# Altium PCB PCB-Tester-Board.PcbDoc (part 7 of 7)
Units mm, origin at the board's own origin, x right, y up, seen from the top; angles counter-clockwise.
Board outline 400 x 300 mm, 8 copper layers (Top Layer, Inner1, Inner2, Inner3, Inner4, Inner5, Inner6, Bottom Layer), stack 1.515 mm thick; 757 components, 658 nets, 2830 pads, 1016 vias.
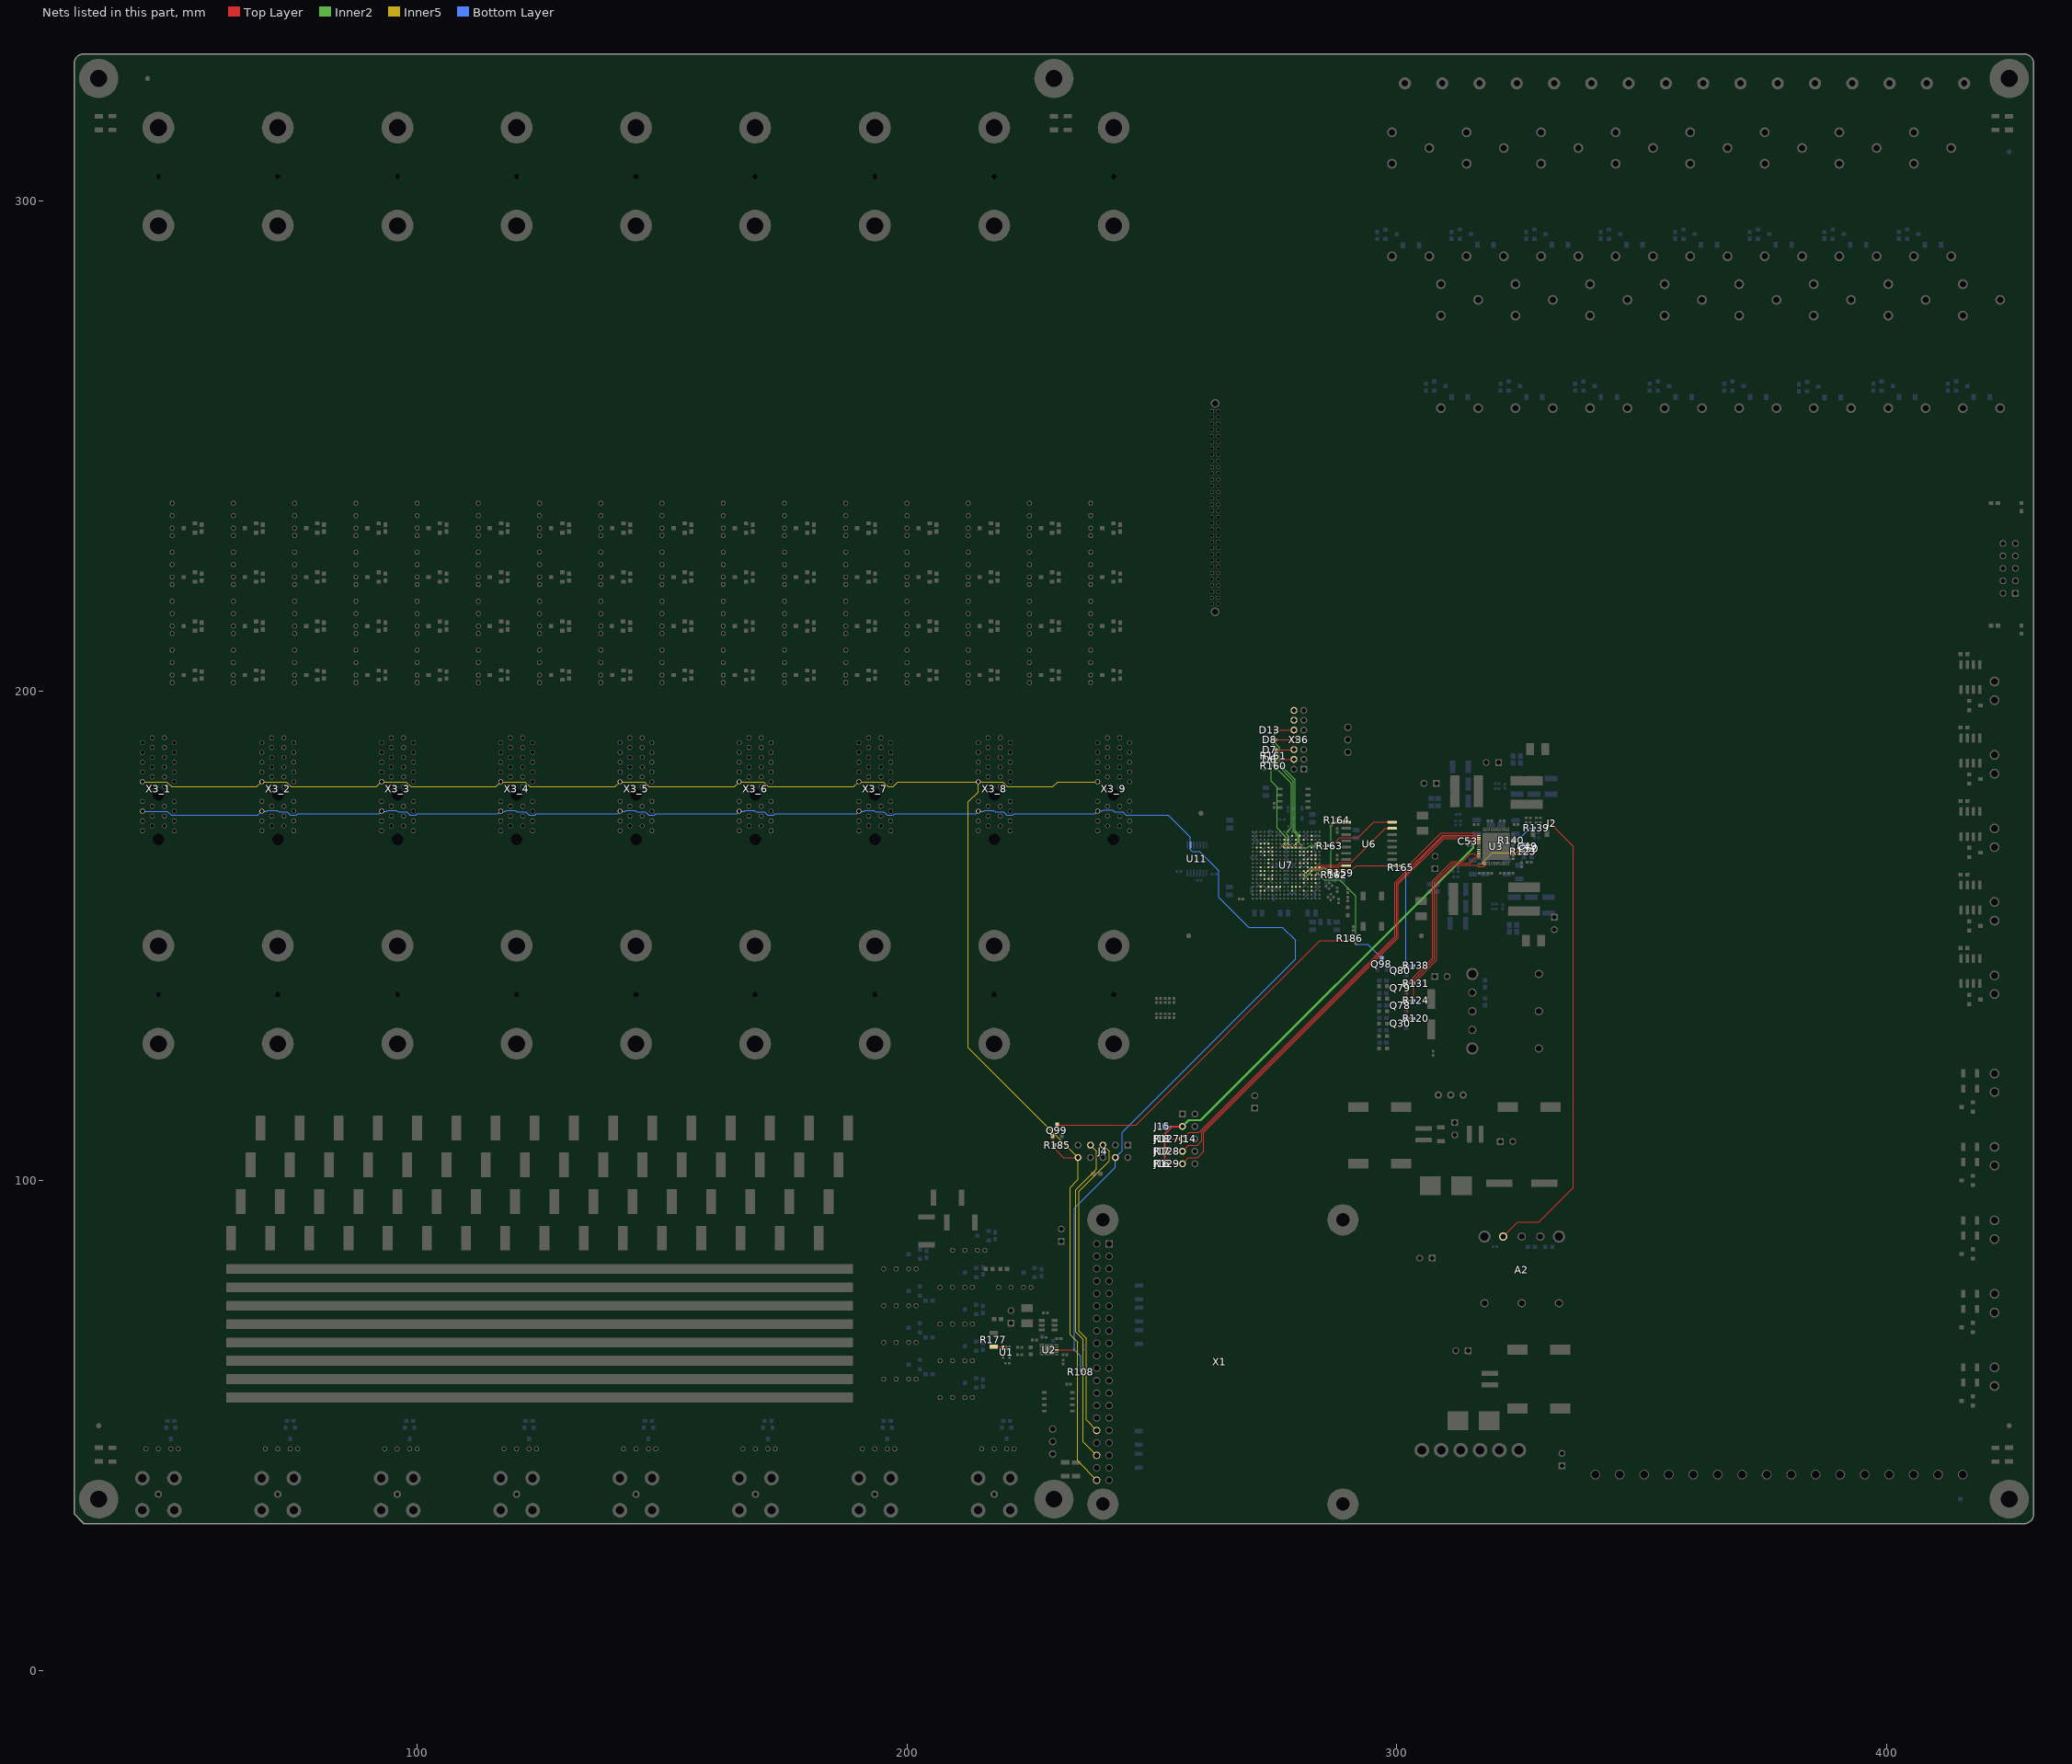
[diagram p13: the nets of this part, all layers, seen from the top]

## Via types
v1: diameter 0.4, hole 0.2, Top Layer to Bottom Layer, 601 vias
v2: diameter 0.8, hole 0.3, Top Layer to Bottom Layer, 361 vias
v3: diameter 0.7, hole 0.3, Top Layer to Bottom Layer, 54 vias

## Nets (pads, with @x,y where several pads share a name; then routed paths per layer and width w, separated by ;. In a path a pad name is that pad's centre, name@x,y a point inside that pad or via, vN(x,y) a via of type N, cw(c..) or ccw(c..) an arc to the next point about the centre after c; other vN are vias at no path point) (continued)
NetR139_1: R139.1 R140.1 U3.53 | length 6.1
  Top Layer w0.152: U3.53@323.75,169.65 323.753,169.647 v1(324.434,169.647)
  Bottom Layer w0.152: R140.1@323.717,169.494 323.872,169.65 323.876,169.647 v1(324.434,169.647) 324.452,169.647 324.805,170 325.244,170 327.244,172 R139.1@328.1,172
NetR159_1: R159.1 R162.2 U7.L15 | length 6.7
  Top Layer w0.127: U7.L15@281.8,163.2 282.2,163.6 284.6,163.6
  Top Layer w0.152: 284.6,163.6 285.4,162.8 ; R159.1@288.002,162.8 R159.1@288.026,162.776
  Top Layer w0.203: 285.4,162.8 286.4,162.8 R162.2@287.172,162.8 R159.1@288.002,162.8
NetR163_1: R163.1 U7.E9 | length 10.2
  Top Layer w0.152: v1(276.6,168.4) U7.E9@277,168 ; v1(285.255,168.39) 285.898,168.39 R163.1@285.9,168.388
  Inner2 w0.127: 277,168 281.8,168
  Inner2 w0.152: v1(276.6,168.4) 277,168 ; 281.8,168 282.19,168.39 v1(285.255,168.39)
NetR163_2: R163.2 U6.16 | length 14.3
  Top Layer w0.152: R163.2@286.7,168.388 288.312,170 292.1,170 295.303,173.203 U6.16@299.02,173.203
NetR164_1: R164.1 U6.1 U7.M14 | length 19
  Top Layer w0.152: U7.M14@281,162.4 v1(281.4,162) ; v1(286.6,172.475) 287.325,173.2 R164.1@287.8,173.2 287.803,173.203 U6.1@289.65,173.203
  Inner2 w0.152: v1(281.4,162) 282.867,163.467 284.991,163.467 285.465,162.993 285.939,162.993 286.6,163.654 v1(286.6,172.475)
NetR165_1: R165.1 U6.9 U7.L14 | length 20.9
  Top Layer w0.152: U7.L14@281,163.2 v1(281.4,162.8) ; v1(285.7,163.5) 290.862,163.5 291.674,164.313 U6.9@299.02,164.313 299.033,164.3 R165.1@300.8,164.3
  Inner2 w0.152: v1(281.4,162.8) 282.42,163.82 285.38,163.82 v1(285.7,163.5)
NetR177_1: R177.1 U1.3 | length 2.1
  Top Layer w0.152: R177.1@217.677,66.159 219.441,66.159 219.6,66 U1.3@219.6,65.9
NetU3_23: U3.23
NetU3_24: U3.24
NetU3_25: U3.25
NetU3_43: U3.43
NetU3_45: U3.45 U3.46 | length 1.4
  Top Layer w0.152: U3.45@323.75,166.45 323.758,166.458 324.199,166.458 324.288,166.548 324.288,166.753 324.199,166.842 323.758,166.842 U3.46@323.754,166.846
NetU6_8: U6.8 U7.K18 | length 5.6
  Top Layer w0.152: U7.K18@284.2,164 288.129,164 288.442,164.313 U6.8@289.65,164.313
NetU6_15: U6.15 U7.K17 | length 18.9
  Top Layer w0.127: 283.8,164.4 284.6,164.4
  Top Layer w0.152: U7.K17@283.4,164 283.8,164.4 ; 284.6,164.4 287.975,164.4 288.52,164.945 290.66,164.945 297.648,171.933 U6.15@299.02,171.933
NetU7_B11: U7.B11
NetU7_B13: U7.B13
NetU7_B16: U7.B16
NetU7_C9: U7.C9
NetU7_C10: U7.C10
NetU7_C12: U7.C12
NetU7_C14: U7.C14
NetU7_C16: U7.C16
NetU7_D3: U7.D3
NetU7_D4: U7.D4
NetU7_D5: U7.D5
NetU7_D9: U7.D9
NetU7_D10: U7.D10
NetU7_D12: U7.D12
NetU7_D17: U7.D17
NetU7_E2: U7.E2
NetU7_E3: U7.E3
NetU7_E5: U7.E5
NetU7_E6: U7.E6
NetU7_E16: U7.E16
NetU7_F3: U7.F3
NetU7_F4: U7.F4
NetU7_F5: U7.F5
NetU7_F6: U7.F6
NetU7_F13: U7.F13
NetU7_F14: U7.F14
NetU7_F15: U7.F15
NetU7_F16: U7.F16
NetU7_G4: U7.G4
NetU7_G6: U7.G6
NetU7_G13: U7.G13
NetU7_G14: U7.G14
NetU7_G16: U7.G16
NetU7_G17: U7.G17
NetU7_H5: U7.H5
NetU7_H6: U7.H6
NetU7_H14: U7.H14
NetU7_H15: U7.H15
NetU7_H16: U7.H16
NetU7_H17: U7.H17
NetU7_J5: U7.J5
NetU7_J13: U7.J13
NetU7_J14: U7.J14
NetU7_J15: U7.J15
NetU7_J17: U7.J17
NetU7_K3: U7.K3
NetU7_K5: U7.K5
NetU7_K6: U7.K6
NetU7_K13: U7.K13
NetU7_K15: U7.K15
NetU7_K16: U7.K16
NetU7_L3: U7.L3
NetU7_L4: U7.L4
NetU7_L6: U7.L6
NetU7_L16: U7.L16
NetU7_M3: U7.M3
NetU7_M4: U7.M4
NetU7_M6: U7.M6
NetU7_M13: U7.M13
NetU7_M16: U7.M16
NetU7_N4: U7.N4
NetU7_N5: U7.N5
NetU7_N6: U7.N6
NetU7_N14: U7.N14
NetU7_N15: U7.N15
NetU7_N16: U7.N16
NetU7_N17: U7.N17
NetU7_P14: U7.P14
NetU7_P17: U7.P17
NetU7_R3: U7.R3
NetU7_R5: U7.R5
NetU7_R6: U7.R6
NetU7_R7: U7.R7
NetU7_R8: U7.R8
NetU7_R11: U7.R11
NetU7_R12: U7.R12
NetU7_R13: U7.R13
NetU7_R16: U7.R16
NetU7_T3: U7.T3
NetU7_T4: U7.T4
NetU7_T6: U7.T6
NetU7_T11: U7.T11
NetU7_T14: U7.T14
NetU7_T16: U7.T16
NetX36_12: X36.12
NetX36_14: X36.14
nRST: Q98.3 Q99.3 R186.2 U7.M17 | length 103.7
  Top Layer w0.152: Q99.3@230.65,111.4 246.718,111.4 284.325,149.007 290.307,149.007 R186.2@290.4,149.1 290.494,149.006 290.94,149.006 v1(291.666,148.28) ; U7.M17@283.4,162.4 v1(283.8,162.8)
  Inner2 w0.152: v1(283.8,162.8) 285.169,161.431 288.366,161.431 291.666,158.131 v1(291.666,148.28)
  Bottom Layer w0.152: v1(291.666,148.28) 294.087,148.28 296.917,145.45 Q98.3@296.917,145.4
P12V0D_S: A2.7 J2.2 | length 94.3
  Top Layer w0.152: A2.7@321.7,88.6 324.662,91.562 328.987,91.562 335.987,98.563 335.987,168.248 331.696,172.538 J2.2@331.622,172.612
PG_A_29: Q30.1 R120.1 U3.26 | length 44
  Top Layer w0.152: v1(302.8,133.1) 302.159,133.741 302.159,140.319 307.265,145.425 307.265,161.17 311.28,165.185 313.433,165.185 315.024,166.776 315.758,166.776 316.084,166.45 U3.26@316.75,166.45
  Bottom Layer w0.203: Q30.1@301.9,133.03 301.97,133.1 v1(302.8,133.1) R120.1@303.5,133.1
PG_B_29: Q78.1 R124.1 U3.30 | length 39.8
  Top Layer w0.152: v1(302.8,136.783) 303.441,137.424 303.441,140.321 308.17,145.05 308.17,160.795 311.82,164.446 316.289,164.446 316.6,164.135 317.881,164.135 318.044,164.298 318.044,164.744 U3.30@318.05,164.75
  Bottom Layer w0.203: Q78.1@301.97,136.783 v1(302.8,136.783) R124.1@303.5,136.783
PG_C_29: Q79.1 R131.1 U3.27 | length 35.4
  Top Layer w0.152: v1(302.8,140.32) 307.717,145.237 307.717,160.983 311.555,164.82 314.857,164.82 316.086,166.05 U3.27@316.75,166.05
  Bottom Layer w0.203: Q79.1@301.97,140.32 v1(302.8,140.32) R131.1@303.5,140.32
PG_D_29: Q80.1 R138.1 U3.16 | length 39.5
  Top Layer w0.152: v1(301.9,163.845) 309,170.945 315.746,170.945 316.241,170.45 U3.16@316.75,170.45
  Bottom Layer w0.152: Q80.1@301.9,143.85 v1(301.9,163.845)
  Bottom Layer w0.203: Q80.1@301.97,143.92 302.8,143.92 R138.1@303.5,143.92
RST_F_1: J4.10 Q99.1 R185.2 X1.40 X3_1.B10 X3_2.B10 X3_3.B10 X3_4.B10 X3_5.B10 X3_6.B10 X3_7.B10 X3_8.B10 X3_9.B10 | length 365.4
  Top Layer w0.152: Q99.1@229.7,109.1 Q99.1@229.816,108.984 ; R185.2@229.816,107.504 R185.2@229.933,107.387
  Top Layer w0.203: R185.2@229.816,107.504 Q99.1@229.816,108.984 ; R185.2@229.933,107.387 R185.2@229.986,107.334 ; R185.2@230.05,107.27 230.194,107.126 230.194,106.476 231.94,104.73 J4.10@234.92,104.73
  Inner5 w0.203: X3_1.B10@43.937,181.428 48.872,181.428 49.872,180.428 67.312,180.428 X3_2.B10@68.312,181.428 73.247,181.428 74.247,180.428 91.688,180.428 X3_3.B10@92.688,181.428 ; X3_3.B10@92.75,181.428 97.685,181.428 98.685,180.428 116.125,180.428 X3_4.B10@117.125,181.428 ; X3_4.B10@117.062,181.428 121.997,181.428 122.997,180.428 140.437,180.428 X3_5.B10@141.437,181.428 146.372,181.428 147.372,180.428 164.812,180.428 X3_6.B10@165.813,181.428 ; X3_6.B10@165.75,181.428 170.685,181.428 171.685,180.428 189.125,180.428 X3_7.B10@190.125,181.428 ; X3_7.B10@190.188,181.428 195.122,181.428 196.122,180.428 197.163,180.428 198.163,181.428 X3_8.B10@214.562,181.428 ; X1.40@238.724,38.87 234.79,42.803 234.79,67.09 233.29,68.59 233.29,98.618 234.92,100.248 J4.10@234.92,104.73 212.537,127.113 212.537,177.337 214.563,179.363 X3_8.B10@214.562,181.428 ; X3_9.B10@238.938,181.428 230.771,181.428 229.771,180.428 220.497,180.428 219.497,181.428 X3_8.B10@214.562,181.428
SCLK_1: J4.4 R108.1 U2.8 U11.2 X3_1.B14 X3_2.B14 X3_3.B14 X3_4.B14 X3_5.B14 X3_6.B14 X3_7.B14 X3_8.B14 X3_9.B14 | length 368.2
  Top Layer w0.152: U2.8@230.5,65.5 v1(234.13,65.5)
  Bottom Layer w0.152: X3_1.B14@43.937,175.428 48.981,175.428 49.797,174.612 67.497,174.612 X3_2.B14@68.312,175.428 69.298,175.428 69.483,175.613 71.398,175.613 71.76,175.251 73.465,175.251 74.107,174.61 75.333,174.61 75.636,174.912 92.235,174.912 X3_3.B14@92.75,175.428 93.735,175.428 93.921,175.613 95.836,175.613 96.198,175.251 97.903,175.251 98.544,174.61 99.771,174.61 100.073,174.912 116.547,174.912 X3_4.B14@117.062,175.428 118.048,175.428 118.233,175.613 120.148,175.613 120.51,175.251 122.215,175.251 122.857,174.61 124.083,174.61 124.386,174.912 140.922,174.912 X3_5.B14@141.437,175.428 142.423,175.428 142.608,175.613 144.523,175.613 144.885,175.251 146.59,175.251 147.232,174.61 148.458,174.61 148.761,174.912 165.235,174.912 X3_6.B14@165.75,175.428 X3_6.B14@165.812,175.428 ; X3_6.B14@165.875,175.428 166.735,175.428 166.921,175.613 168.836,175.613 169.198,175.251 170.903,175.251 171.544,174.61 172.771,174.61 173.073,174.912 189.672,174.912 X3_7.B14@190.188,175.428 191.173,175.428 191.358,175.613 193.273,175.613 193.635,175.251 195.34,175.251 195.982,174.61 197.208,174.61 197.511,174.912 214.047,174.912 X3_8.B14@214.562,175.428 215.548,175.428 215.733,175.613 217.648,175.613 218.01,175.251 219.715,175.251 220.357,174.61 221.583,174.61 221.886,174.912 238.423,174.912 X3_9.B14@238.938,175.428 ; R108.1@235.5,61.38 235.5,64.13 v1(234.13,65.5) 234.13,94.339 242.54,102.749 J4.4@242.54,104.73 243.9,106.09 243.9,109.828 279.289,145.217 279.289,149.133 276.652,151.77 269.73,151.77 263.695,157.805 263.695,163.238 259.728,167.205 258.247,167.205 257.85,167.602 257.85,168.5 257.85,170.098 253.338,174.61 244.701,174.61 244.044,175.267 242.339,175.267 241.977,175.629 240.062,175.629 239.876,175.444 X3_9.B14@238.891,175.444
SIG1_2: J4.5 X1.32 | length 62.8
  Inner5 w0.203: X1.32@238.724,49.03 236.6,51.154 236.6,67.839 235.1,69.339 235.1,97.869 241.3,104.069 241.3,105.97 J4.5@240,107.27
SIG2_2: J4.7 X1.36 | length 67.3
  Inner5 w0.203: J4.7@237.46,107.27 238.7,106.03 238.7,102.322 234.497,98.119 234.497,69.09 235.997,67.59 235.997,46.677 X1.36@238.724,43.95
SMBUS.ALERT#: J14.5 J18.1 R127.1 U3.17 | length 99.1
  Top Layer w0.152: R127.1@253.399,108.54 J14.5@256.23,108.54 257.515,109.825 259.6,109.825 299.627,149.852 299.627,160.812 309.341,170.526 315.722,170.526 316.197,170.05 U3.17@316.75,170.05
  Bottom Layer w0.152: J18.1@252.775,108.54 J14.5@256.23,108.54
SMBUS.CLK: J14.7 J17.1 R128.1 U3.18 | length 101.1
  Top Layer w0.152: R128.1@253.399,105.994 256.236,105.994 257.498,107.255 259.32,107.255 260.207,108.142 260.207,109.964 299.958,149.715 299.958,160.675 309.478,170.195 315.616,170.195 316.161,169.65 U3.18@316.75,169.65
  Bottom Layer w0.152: J17.1@252.775,106 J14.7@256.23,106
SMBUS.DATA: J14.9 J16.1 R129.1 U3.19 | length 103.3
  Top Layer w0.152: R129.1@253.399,103.46 J14.9@256.23,103.46 257.501,104.731 259.348,104.731 260.588,105.971 260.588,109.878 300.289,149.578 300.289,160.538 309.615,169.864 315.507,169.864 316.122,169.25 U3.19@316.75,169.25
  Bottom Layer w0.152: J16.1@252.775,103.46 J14.9@256.23,103.46
SMBUS.VDDIO: C53.1 J14.3 J15.1 R127.2 R128.2 R129.2 U3.20 | length 99.9
  Top Layer w0.22: C53.1@314.947,169.25 315.057,169.14 v1(315.621,169.14) 315.911,168.85 U3.20@316.75,168.85
  Top Layer w0.381: R129.2@252.599,103.46 R127.2@252.599,108.54 252.599,109.524 254.156,111.08 J14.3@256.23,111.08
  Inner2 w0.381: J14.3@256.23,111.08 257.499,112.349 259.949,112.349 315.621,168.021 v1(315.621,169.14)
  Bottom Layer w0.381: J15.1@252.775,111.08 J14.3@256.23,111.08
TCK_18: D7.2 R161.1 U7.E10 X36.6 | length 26.2
  Top Layer w0.152: v1(275.2,187.3) D7.2@275.2,188 X36.6@279,188 ; v1(277.4,168.4) U7.E10@277.8,168
  Inner2 w0.152: v1(275.2,187.3) 274.364,186.464 274.364,181.586 275.545,180.405 275.545,172.03 277.4,170.175 v1(277.4,168.4)
  Bottom Layer w0.152: R161.1@275.175,186.7 275.2,186.725 v1(275.2,187.3)
TDI_18: D13.2 U7.E11 X36.10 | length 31.2
  Top Layer w0.152: v1(275.2,191.3) D13.2@275.2,192 X36.10@279,192 ; v1(278.2,168.4) U7.E11@278.6,168
  Inner2 w0.152: v1(275.2,191.3) 274.7,190.8 274.7,189.1 275.7,188.1 275.7,186.9 274.7,185.9 274.7,184.9 278.469,181.131 278.469,172.119 277.55,171.2 277.55,170.65 277.8,170.4 277.8,168.8 v1(278.2,168.4)
TDO_18: D8.2 U7.E13 X36.8 | length 28.2
  Top Layer w0.152: v1(275.2,189.3) D8.2@275.2,190 X36.8@279,190 ; U7.E13@280.2,168 v1(280.6,168.4)
  Inner2 w0.152: v1(275.2,189.3) 276.079,188.421 276.079,185.021 279.259,181.841 279.259,171.434 280.098,170.595 280.098,168.902 v1(280.6,168.4)
TMS_18: D6.2 R160.1 U7.E12 X36.4 | length 24.8
  Top Layer w0.152: v1(275.2,185.3) D6.2@275.2,186 X36.4@279,186 ; v1(279,168.4) U7.E12@279.4,168
  Inner2 w0.152: v1(275.2,185.3) 278.879,181.621 278.879,171.317 279.766,170.43 279.766,169.166 v1(279,168.4)
  Bottom Layer w0.152: R160.1@275.175,184.7 275.2,184.725 v1(275.2,185.3)
Vcc_29: C49.1 C50.1 R123.2 U3.29 U3.48 | length 14.6
  Top Layer w0.203: v1(316.789,164.643) 317.642,164.643 317.65,164.651 U3.29@317.65,164.75
  Top Layer w0.22: U3.48@323.75,167.65 v1(325.135,167.65) R123.2@325.75,167.65 325.85,167.75 C50.1@326.6,167.75
  Inner5 w0.203: v1(316.789,164.643) 317.207,164.643 319.505,166.941 324.426,166.941 v1(325.135,167.65)
  Bottom Layer w0.457: v1(325.135,167.65) 325.289,167.804 325.704,167.804 325.95,168.05 C49.1@325.95,168.25
pads on no net: AOI1.0 AOI2.0 AOI3.0 AOI5.0 AOI6.0 AOI7.0 AOI9.0 AOI10.0 AOI11.0 D3_1.2 D3_2.2 D3_3.2 D3_4.2 D3_5.2 M1_1.0 M1_2.0 M1_3.0 M1_4.0 M1_5.0 M1_6.0 M1_7.0 M1_8.0 M1_9.0 M2_1.0 M2_2.0 M2_3.0 M2_4.0 M2_5.0 M2_6.0 M2_7.0 M2_8.0 M2_9.0 U5.3 U5.5 U6.3 U6.4 U6.5 U6.6 U6.11 U6.12 U6.13 U6.14 X1.0 X3_1.0 X3_2.0 X3_3.0 X3_4.0 X3_5.0 X3_6.0 X3_7.0 X3_8.0 X3_9.0 X28.0

## Polygon pours and split planes (outlines as drawn)
12V0 on Top Layer "12V0" (solid, remove dead copper, pour order 56): 239.279,176.428 240.507,175.2 243.826,175.2 245.054,176.428 246.501,176.428 246.501,179.365 244.084,181.781 240.292,181.781 237.1,178.59 237.1,176.428
12V0 on Top Layer "12V0" (solid, remove dead copper, pour order 55): 214.904,176.428 216.132,175.2 219.451,175.2 220.679,176.428 222.125,176.428 222.125,179.365 219.709,181.781 215.916,181.781 212.725,178.59 212.725,176.428
12V0 on Top Layer "12V0" (solid, remove dead copper, pour order 54): 190.529,176.428 191.757,175.2 195.076,175.2 196.304,176.428 197.75,176.428 197.75,179.365 195.334,181.781 191.541,181.781 188.35,178.59 188.35,176.428
12V0 on Top Layer "12V0" (solid, remove dead copper, pour order 53): 166.091,176.428 167.319,175.2 170.638,175.2 171.866,176.428 173.313,176.428 173.313,179.365 170.896,181.781 167.104,181.781 163.912,178.59 163.912,176.428
12V0 on Top Layer "12V0" (solid, remove dead copper, pour order 52): 141.779,176.428 143.007,175.2 146.326,175.2 147.554,176.428 149,176.428 149,179.365 146.584,181.781 142.791,181.781 139.6,178.59 139.6,176.428
12V0 on Top Layer "12V0" (solid, remove dead copper, pour order 51): 117.404,176.428 118.632,175.2 121.951,175.2 123.179,176.428 124.625,176.428 124.625,179.365 122.209,181.781 118.416,181.781 115.225,178.59 115.225,176.428
12V0 on Top Layer "12V0" (solid, remove dead copper, pour order 50): 93.091,176.428 94.319,175.2 97.638,175.2 98.866,176.428 100.313,176.428 100.313,179.365 97.896,181.781 94.104,181.781 90.912,178.59 90.913,176.428
12V0 on Top Layer "12V0" (solid, remove dead copper, pour order 49): 68.654,176.428 69.882,175.2 73.201,175.2 74.429,176.428 75.875,176.428 75.875,179.365 73.459,181.781 69.666,181.781 66.475,178.59 66.475,176.428
12V0 on Top Layer "12V0" (solid, remove dead copper, pour order 29): 44.279,176.428 45.507,175.2 48.826,175.2 50.054,176.428 51.5,176.428 51.5,179.365 49.084,181.781 45.291,181.781 42.1,178.59 42.1,176.428
NetC33_1 on Top Layer "NetC33_1" (solid, pour order 65): 320.175,186.06 320.175,184.66 322.25,184.66 323.245,183.665 323.245,182.092 329.742,182.092 329.745,182.089 329.745,184.775 328.46,186.06
12V0 on Top Layer "12V0" (solid, remove dead copper, pour order 5): 321.94,171.395 321.94,172.69 322.575,173.325 323.321,173.325 324.002,172.644 324.002,172.437 322.96,171.395
12V0 on Top Layer "12V0" (solid, remove dead copper, pour order 4): 318.56,171.395 318.56,172.69 317.925,173.325 317.216,173.325 316.484,172.593 316.484,172.451 317.54,171.395
NetC57_2 on Top Layer "NetC57_2" (solid, remove dead copper, pour order 3): 321.25,173.1 321.375,173.225 321.375,173.775 321.677,174.077 322.175,174.077 324.348,176.251 325.171,176.251 325.526,176.606 325.526,177.063 324.807,177.782 322.96,177.782 320.421,175.243 320.421,171.395 321.25,171.395
NetC55_2 on Top Layer "NetC55_2" (solid, remove dead copper, pour order 2): 319.227,171.395 320.091,171.395 320.091,175.252 317.162,178.181 316.306,178.181 315.705,177.58 315.705,176.242 316.683,175.265 318.05,175.265 319.125,174.19 319.125,173.225 319.227,173.123
NetC40_2 on Top Layer "NetC40_2" (solid, remove dead copper, pour order 1): 320.45,165.105 320.85,165.105 320.85,163.55 321.375,163.025 321.375,162.191 322.708,160.857 327.635,160.857 328.066,160.426 328.066,159.335 327.689,158.957 322.708,158.957 320.45,161.216
NetC46_2 on Top Layer "NetC46_2" (solid, remove dead copper, pour order 0): 319.65,165.102 319.65,163.55 319.125,163.025 319.125,162.25 317.622,160.747 316.78,160.747 316.281,160.249 316.281,154.89 316.924,154.247 317.468,154.247 317.468,158.639 320.05,161.221 320.05,162.71 320.05,165.092
GND on Top Layer "GND" (solid, remove dead copper, pour order 17): 328.025,168.925 327.125,168.025 327.125,166.475 328.024,165.576 328.576,165.576 328.65,165.65 328.65,168.7 328.425,168.925
GND on Top Layer "GND" (solid, remove dead copper, pour order 14): 324.473,172.965 325.479,172.965 325.595,172.849 325.595,172.251 325.095,171.75 324.748,171.75 324.473,172.025
GND on Top Layer "GND" (solid, remove dead copper, pour order 13): 316.069,172.965 315.063,172.965 314.947,172.849 314.947,172.251 315.448,171.75 315.794,171.75 316.069,172.025
GND on Top Layer "GND" (solid, remove dead copper, pour order 12): 317.125,163.524 317.012,163.637 316.575,163.637 316.436,163.498 316.436,161.708 316.806,161.708 317.125,162.027
GND on Top Layer "GND" (solid, remove dead copper, pour order 11): 323.375,163.025 323.629,163.279 324.249,163.279 324.405,163.123 324.405,162.632 324.248,162.475 323.375,162.475
5V0R on Top Layer "5V0R" (solid, remove dead copper, pour order 32): 200.9,59.9
5V0R on Top Layer "5V0R" (solid, remove dead copper, pour order 31): 200.33,60.008
5V0R on Top Layer "5V0R" (solid, remove dead copper, pour order 27): 390.3,214.2 426.1,250 426.1,253.9 424.7,255.3 305.3,255.3 303.9,253.9 303.9,242.4 332.1,214.2
12V0 on Top Layer "12V0" (solid, remove dead copper, pour order 9): 323.125,162.475 323.125,163.536 322.924,163.737 322.175,163.737 322.175,163.287 322.312,163.287 322.575,163.025 322.575,162.475
12V0 on Top Layer "12V0" (solid, remove dead copper, pour order 7): 317.375,162.475 317.375,163.536 317.576,163.737 318.325,163.737 318.325,163.287 318.187,163.287 317.925,163.025 317.925,162.475
NetC46_2 on Top Layer "NetC46_2" (solid, pour order 6): 317.25,162.5
5V0R on Bottom Layer "5V0R" (solid, remove dead copper, pour order 28): 247.7,184.8 248.5,185.6 248.5,231.9 251.3,234.7 254.5,234.7 257,232.2 257,182.6 254.799,180.399 251.5,180.399 42.1,180.399 42.1,184.8
12V0 on Bottom Layer "12V0" (solid, remove dead copper, pour order 60): 289.9,131.2 267.4,131.2 266,129.8 266,125.207 307.607,83.6 316.7,83.6 319.579,86.479 319.579,101.521
GND on Bottom Layer "GND" (solid, remove dead copper, pour order 42): 287.775,156.41 287.691,156.325 285.475,156.325 285.15,156.65 269.65,156.65 269.65,172.15 285.775,172.15 285.775,164.4 285.775,163.87 287.775,161.87
1V0 on Bottom Layer "1V0" (solid, remove dead copper, pour order 41): 273.8,160.4 273.8,168.4 279.545,168.4 279.545,160.4
3V3 on Bottom Layer "3V3" (solid, remove dead copper, pour order 39): 269.707,156.65 270.111,156.246 276.354,156.246 277.401,155.199 277.401,154 278.275,154.874 278.275,155.3 278.717,155.742 280.82,155.742 281.728,156.65 285.15,156.65 285.15,172.15 278.185,172.15 277.378,172.957 277.378,173.303 277.182,173.499 276.799,173.499 276.336,173.036 270.536,173.036 269.65,172.15 269.65,156.65
1V8 on Bottom Layer "1V8" (solid, remove dead copper, pour order 38): 279,161.2 279,168.8 281.655,168.8 281.655,161.2
12V0 on Bottom Layer "12V0" (solid, remove dead copper, pour order 24): 321.65,161.125 321.65,164.125 325.026,164.125 326.151,163 326.151,161.426 325.85,161.125
GND on Bottom Layer "GND" (solid, remove dead copper, pour order 20): 312.125,161.469 312.125,162.275 314.233,162.275 315.975,160.532 315.975,152.288 314.185,150.498 313.797,150.498 313.232,151.062 313.232,160.666 313.092,160.806 312.789,160.806
GND on Bottom Layer "GND" (solid, remove dead copper, pour order 16): 326.566,169.628 326.425,169.487 326.425,169.25 326.65,169.025 326.975,169.025 327.075,168.925 327.075,165.575 328.575,165.575 328.65,165.65 328.65,168.919 328.325,169.244 327.759,169.244 327.375,169.628
GND on Bottom Layer "GND" (solid, remove dead copper, pour order 15): 314.046,165.875 314.046,165.23 314.35,164.925 323.35,164.925 324.15,164.125 324.15,162.743 324.256,162.636 325.531,162.636 326.75,163.855 326.75,163.975 325.85,164.875 325.33,164.875 324.805,165.4 323.825,165.4 323.35,165.875 323.35,170.281 323.381,170.312 325.081,170.312 325.081,171.858 325.595,172.372 325.595,172.849 325.537,172.907 325.24,172.907 323.595,171.262 317.182,171.262 317.156,171.287 316.532,171.287 315.932,171.887 315.932,172.202 315.286,172.849 314.947,172.849 314.947,170.846 316.436,169.357 316.436,167.008 316.078,166.649 314.757,166.649 314.047,165.94
GND on Bottom Layer "GND" (solid, remove dead copper, pour order 21): 312.625,175.504 312.625,174.475 314.51,174.475 316.501,176.466 316.501,184.71 314.71,186.501 314.322,186.501 313.757,185.936 313.757,176.332 313.618,176.192 313.314,176.192
GND on Bottom Layer "GND" (solid, remove dead copper, pour order 19): 322.153,156.081 321.302,156.081 321.302,158.143 322.924,159.764 331.168,159.764 332.958,157.974 332.958,157.586 332.393,157.021 322.79,157.021 322.65,156.881 322.65,156.578
GND on Bottom Layer "GND" (solid, remove dead copper, pour order 18): 322.949,180.42 321.848,180.42 321.848,178.608 323.469,176.987 331.713,176.987 333.504,178.778 333.504,179.165 332.939,179.73 323.335,179.73 323.195,179.87 323.195,180.174
12V0 on Bottom Layer "12V0" (solid, remove dead copper, pour order 23): 314.65,162.125 314.65,163.401 315.424,164.175 318.976,164.175 319.151,164 319.151,162.426 318.85,162.125
12V0 on Bottom Layer "12V0" (solid, remove dead copper, pour order 25): 320.001,174.087 320.001,172.037 315.33,172.037 315.155,172.212 315.155,173.786 315.456,174.087
12V0 on Bottom Layer "12V0" (solid, remove dead copper, pour order 26): 320.46,174.062 320.46,172.012 325.207,172.012 325.382,172.187 325.382,173.761 325.081,174.062
no net on Bottom Layer "NetC46_2" (solid, pour order 10): 311.945,185.792
5V0 on Inner2 "5V0" (solid, remove dead copper, pour order 37): 240.049,88.913 235.978,88.913 230.733,83.668 230.733,75.95 224.732,69.95 218.75,69.95 217.55,68.75 217.55,59.882 219.652,57.78 257.38,57.78 315.8,116.2 315.8,119.2 314.6,120.4 271.536,120.4
12V0 on Inner2 "12V0" (solid, remove dead copper, pour order 57): 42.1,176.428 44.279,176.428 45.507,175.2 246.51,175.2 247.2,175.89 247.2,178.666 244.084,181.781 43.483,181.781 42.1,180.399
12V0 on Inner2 "12V0" (solid, remove dead copper, pour order 22): 317.348,173.507 316.535,172.695 316.535,161.569 318.491,159.614 318.491,117.373 310.49,109.372 310.49,91.262 315.697,86.055 318.77,86.055 319.888,87.173 319.888,89.357 333.299,102.768 333.299,172.491 332.283,173.507
GND on Inner2 "GND" (solid, remove dead copper, pour order 64): 35.5,40.8
GND on Inner2 "GND" (solid, remove dead copper, pour order 62): 430,330
GND on Inner2 "GND" (solid, remove dead copper, pour order 61): 30,30
12V0 on Inner5 "12V0" (solid, remove dead copper, pour order 58): 230.8,167.7 254.9,143.6 261.6,143.6 266.2,139 266.2,125.8 267.1,124.9 268.7,124.9 273.3,129.5 273.3,143.3 248.9,167.7 240.7,167.7 237.4,171 237.4,175.564 238.264,176.428 238.438,176.428 245.938,176.428 246.3,176.79 246.3,178.735 243.607,181.428 240.828,181.428 239.474,180.074 235.826,180.074 235.4,180.5 231.6,180.5 230.8,179.7
24V0 on Inner5 "24V0" (solid, remove dead copper, pour order 48): 302.6,30 430,30 430,204.4 419,204.4 419,39.3 416.7,37 338.6,37 323.7,51.9 305.5,51.9 302.6,49
3V3 on Inner5 "3V3" (solid, remove dead copper, pour order 43): 264.79,163.5 262.4,161.11 262.4,160.758 264.79,158.367 264.79,153.306 282.654,153.306 285.86,150.1 291.4,150.1 303.6,162.3 303.6,180.5 310.15,187.05 325.95,187.05 326.8,187.9 326.8,192.3 323.6,195.5 298.27,195.5 291.27,188.5 288.5,188.5 282.5,182.5 277.65,182.5 275.45,184.7 273.7,184.7 264.79,175.79
5V0R on Inner5 "5V0R" (solid, remove dead copper, pour order 35): 228,91 229.6,89.4 229.6,76.2 228.5,75.1 219,75.1 217.2,73.3 217.2,50.9 224.5,50.9 224.5,41.3 50.463,41.3 50.463,50.9 201.2,50.9 201.2,58.4 201.2,91
5V0R on Inner3 "5V0R" (solid, remove dead copper, pour order 47): 264.291,115.691 255.783,115.713 254.7,114.63 254.7,106.1 246.4,97.8 236.092,97.8 225.192,86.9 223.7,86.9 222.4,88.2 222.4,90.3 234,101.9 244.8,101.9 248.8,105.9 248.8,115.729 257.971,124.9 267.8,124.9 270.1,127.2 270.1,129.439 268.341,131.197 267.307,131.202 235.1,163.408 235.1,183.328 236.554,184.781 254.619,184.781 261.8,177.6 261.8,155.1 270.2,146.7 286.767,146.706 294.787,146.706 298.394,143.1 308.04,143.1 308.54,142.6 308.54,139.61 317.4,130.75 317.4,126.2 313.3,122.1 270.7,122.1
1V0 on Inner3 "1V0" (solid, remove dead copper, pour order 46): 288.571,174.014 280.614,174.014 270.6,164 270.6,156.212 277.235,149.578 296.3,149.578 299.594,146.284 325,146.284 326.7,147.984 326.7,149.876 324.968,151.609 323.346,151.609 321.954,153 309.585,153
1V0 on Inner3 "1V0" (solid, remove dead copper, pour order 45): 277.4,168.4
3V3RPI on Inner4 "3V3RPI" (solid, remove dead copper, pour order 36): 254.511,141.7 255.2,142.389 255.889,141.7 260.9,141.7 265.8,136.8 265.8,55.2 251.6,41 228.4,41 227.4,42 227.4,102.6 248.2,123.4 248.2,139.7 250.2,141.7
1V8 on Inner4 "1V8" (solid, remove dead copper, pour order 44): 280.974,170.398 279,168.424 279,158.677 287.577,150.1 304.603,150.1 307.458,152.956 307.458,162.083 299.144,170.398
12V0 on Inner4 "12V0" (solid, remove dead copper, pour order 59): 266.5,125.5
GND on Inner1 (split plane): 428.167,329.482 428.332,329.454 428.493,329.408 428.647,329.344 428.794,329.263 428.93,329.166 429.055,329.055 429.166,328.93 429.263,328.794 429.344,328.647 429.408,328.493 429.454,328.332 429.482,328.167 429.491,328.015 429.49,328 429.49,32 429.491,31.985 429.482,31.833 429.454,31.668 429.408,31.507 429.344,31.353 429.263,31.206 429.166,31.07 429.055,30.945 428.93,30.834 428.794,30.737 428.647,30.656 428.493,30.592 428.332,30.546 428.167,30.518 428.015,30.509 428,30.51 32.211,30.51 30.51,32.211 30.51,328 30.509,328.015 30.518,328.167 30.546,328.332 30.592,328.493 30.656,328.647 30.737,328.794 30.834,328.93 30.945,329.055 31.07,329.166 31.206,329.263 31.353,329.344 31.507,329.408 31.668,329.454 31.833,329.482 31.985,329.491 32,329.49 428,329.49 428.015,329.491
GND on Inner6 (split plane): 428.167,329.482 428.332,329.454 428.493,329.408 428.647,329.344 428.794,329.263 428.93,329.166 429.055,329.055 429.166,328.93 429.263,328.794 429.344,328.647 429.408,328.493 429.454,328.332 429.482,328.167 429.491,328.015 429.49,328 429.49,32 429.491,31.985 429.482,31.833 429.454,31.668 429.408,31.507 429.344,31.353 429.263,31.206 429.166,31.07 429.055,30.945 428.93,30.834 428.794,30.737 428.647,30.656 428.493,30.592 428.332,30.546 428.167,30.518 428.015,30.509 428,30.51 32.211,30.51 30.51,32.211 30.51,328 30.509,328.015 30.518,328.167 30.546,328.332 30.592,328.493 30.656,328.647 30.737,328.794 30.834,328.93 30.945,329.055 31.07,329.166 31.206,329.263 31.353,329.344 31.507,329.408 31.668,329.454 31.833,329.482 31.985,329.491 32,329.49 428,329.49 428.015,329.491

## Other copper
Top Layer:
  rectangle net GND: 271.8,182.8 273,193.2
  rectangle net GND: 327.325,172.801 328.382,174.341
  region net GND: 331.844,187.235 331.844,188.886 330.168,188.886 330.168,187.235
  region net GND: 331.057,148.145 331.057,149.796 329.38,149.796 329.38,148.145
  rectangle net GND: 304.107,152.38 305.758,154.057
  rectangle net GND: 304.394,169.875 306.045,171.552
  rectangle net GND: 305.029,135.1 308.991,139.1
  region net GND: 294.335,105.716 289.864,105.716 289.864,101.257 294.335,101.257
  region net GND: 294.335,117.216 289.864,117.216 289.864,112.757 294.335,112.757
  rectangle net GND: 329.165,112.757 333.636,117.216
  rectangle net GND: 327.4,97.384 332.8,101.6
  rectangle net GND: 331.165,63.257 335.636,67.716
  rectangle net GND: 329.514,51.257 335.636,54.5
  rectangle net GND: 416.135,145.35 420.8,147.9
  rectangle net GND: 416.135,160.35 420.8,162.9
  rectangle net GND: 416.135,175.35 420.8,177.9
  rectangle net GND: 416.135,190.35 420.8,192.9
  rectangle net GND: 416.135,205.35 420.8,207.9
  region net NetC24_1: 329.208,156.037 322.708,156.037 322.708,152.295 329.208,152.295
  region net NetC27_1: 312.498,154.247 312.498,160.747 308.975,160.747 308.975,154.247
  region net NetC30_1: 312.785,176.242 312.785,182.742 309.262,182.742 309.262,176.242
  region net 3V3: 327.995,186.887 327.995,189.298 323.136,189.298 323.136,186.887
  region net 1V0: 327.208,147.797 327.208,150.197 322.349,150.197 322.349,147.797
  rectangle net 1V8: 303.758,156.247 306.158,161.107
  rectangle net 2V5: 304.045,173.742 306.445,178.602
  rectangle net NetC11_1: 316.76,49.095 326.7,58.315
  rectangle net 24V0: 302.59,42.545 314.681,53.823
  region net GND: 330.817,169.595 331.125,169.903 331.125,170.748 330.458,170.748 330.008,170.298 330.008,169.595
  region net GND: 326.566,169.628 326.425,169.487 326.425,168.475 326.925,168.475 327.375,168.925 327.375,169.628
  region net 12V0: 311.07,94.5 311.07,89.16 306.605,84.695 307.2,84.1 307.2,83.705 307.3,83.605 309.505,83.605 311.7,85.8 318.6,85.8 320.015,87.215 320.015,89.484 324.256,93.726 324.256,100.33 323.681,100.905 311.07,100.905
  region: 319.14,171.395
  region: 319.54,165.105
  region net 5V0R: 306.2,127.325 307.125,126.4 307.825,126.4 310.425,123.8 316.294,123.8 318.275,125.781 318.275,130.035 316.306,132.004 313.842,132.004 312.946,132.9 306.2,132.9
  region net NetA3_1: 316.695,107.859 316.695,111.141 318.338,112.784 318.338,122.047 325.806,129.515 330.733,129.515 332.689,127.559 332.689,122.047 330.733,120.091 327.457,120.091 324.7,117.334 324.7,111.543 319.532,106.375 318.179,106.375
  region net NetC61_1: 311.685,110.475 312.52,111.31 312.52,112.54 309.677,115.383 309.677,118.72 308.153,120.244 303.044,120.244 298.8,116 298.8,114 302.605,110.195 307.166,110.195 307.446,110.475
  region net NetC14_1: 308.93,97.095 302.32,97.095 298.8,100.615 298.8,105.633 300.267,107.1 302.585,107.1 303.8,108.315 307.2,108.315 307.415,108.1 309.603,108.1 310.058,107.645 312.22,107.645 314.325,111.141 315.305,111.141 315.305,104.764 313.258,102.718 309.956,102.718 308.93,101.691
  region: 318.059,87.02
  region net NetA2_1: 317.627,60.706 313.842,64.491 313.842,75.641 315.925,77.724 319.964,77.724 322.199,75.489 322.199,71.001 326.7,66.5 326.7,64.5 323.77,61.57 321.204,61.57 320.32,60.685 319.405,60.685
  region: 317.3,60.685
  region net NetD3_1_1: 423.1,141.4 422.4,140.7 420.787,140.7 418.887,138.8 418.2,138.8 417.567,138.168 417.567,137.818 417.3,137.55 416.3,137.55 414.645,139.205 414.645,141.087 415.5,141.942 419.442,141.942 420.6,143.1 422.3,143.1 423.1,142.3
  region net NetD3_2_1: 423.1,156.4 422.4,155.7 420.787,155.7 418.887,153.8 418.2,153.8 417.567,153.168 417.567,152.818 417.3,152.55 416.3,152.55 414.645,154.205 414.645,156.087 415.5,156.942 419.442,156.942 420.6,158.1 422.3,158.1 423.1,157.3
  region net NetD3_3_1: 423.1,171.4 422.4,170.7 420.787,170.7 418.887,168.8 418.2,168.8 417.567,168.168 417.567,167.818 417.3,167.55 416.3,167.55 414.645,169.205 414.645,171.087 415.5,171.942 419.442,171.942 420.6,173.1 422.3,173.1 423.1,172.3
  region net NetD3_4_1: 423.1,186.4 422.4,185.7 420.787,185.7 418.887,183.8 418.2,183.8 417.567,183.168 417.567,182.818 417.3,182.55 416.3,182.55 414.645,184.205 414.645,186.087 415.5,186.942 419.442,186.942 420.6,188.1 422.3,188.1 423.1,187.3
  region net NetD3_5_1: 423.1,201.4 422.4,200.7 420.787,200.7 418.887,198.8 418.2,198.8 417.567,198.168 417.567,197.818 417.3,197.55 416.3,197.55 414.645,199.205 414.645,201.087 415.5,201.942 419.442,201.942 420.6,203.1 422.3,203.1 423.1,202.3
  text "1" at 40.303,327.632 h1.02
Inner2:
  text "3" at 41.3,327.632 h1.02
Inner3:
  text "4" at 41.8,327.632 h1.02
Inner4:
  region: 276.2,154.625
  region: 276.2,154.625
  region: 276.2,154.625
  region: 276.2,154.625
  region: 276.2,154.625
  region: 276.2,154.625
  text "5" at 42.294,327.632 h1.02
Inner5:
  text "6" at 41.794,327.632 h1.02
Bottom Layer:
  region net 1V0: 325.719,150.786 321.534,150.786 321.534,147.676 325.719,147.676
  region net 1V8: 306.747,157.737 306.747,161.921 303.637,161.921 303.637,157.737
  region net 2V5: 307.034,175.232 307.034,179.416 303.924,179.416 303.924,175.232
  rectangle net 3V3: 322.485,186.704 326.669,189.814
  region net NetC33_1: 328.854,185.666 331.134,183.386 332.06,183.378 332.795,182.642 332.795,181.542 332.457,181.204 322.656,181.204 322.229,180.776 321.149,180.776 320.874,180.776 320.874,181.326 321.149,181.326 322.656,182.834 322.656,185.666
  region net NetC24_1: 329.875,153.15 329.3,152.209 322.111,152.209 321.056,153.264 321.056,154.864 320.713,155.206 320.333,155.206 320.333,155.481 320.608,155.756 320.637,155.727 330.53,155.756 332.75,154.49 332.75,153.15
  region net NetC27_1: 308.17,161.992 307.1,163.062 307.1,164.068 308.401,164.068 308.5,163.969 308.5,163.631 309.856,162.275 310.675,162.275 311.225,162.825 311.225,163.1 311.775,163.1 311.775,162.775 311.517,162.517 311.517,162.083 311.709,161.891 311.709,151.197 310.308,151.197 308.17,153.336
  region: 308.17,158.997
  region net NetC30_1: 311.945,185.792 310.557,185.792 308.457,183.692 308.457,175.625 310.395,173.687 311.445,173.687 311.72,173.412 311.995,173.412 312.27,173.687 312.27,175.827 312.375,175.931 312.375,185.363
  text "8" at 40.797,327.632 h1.02
Inner1 (plane layer: these items are gaps in the copper):
  text "2" at 40.8,327.632 h1.02
Inner6 (plane layer: these items are gaps in the copper):
  text "7" at 41.294,327.632 h1.02

## Silkscreen, mask and mechanical layers (free items; w line width, h text height)
Top Overlay:
  text "LED1" at 425.338,234 h2
  text "LED2" at 425.257,209 h2
  text "JTAG" at 277.743,199.122 h2
  text "DONE" at 283.12,154.2 h1.5
  text "3V3" at 292.53,139.081 h2
  text "2V5" at 292.33,136.572 h2
  text "1V8" at 292.58,134.072 h2
  text "1V0" at 292.58,131.572 h2
  text "5V0R" at 291.5,128.922 h2
  text "5V0" at 292.5,126.322 h2
  text "SMBUS" at 254.873,115.522 h2
Bottom Overlay:
  rectangle: 108.532,77.65 148.532,84.65
  lines w0.5: 106.032,54.65 106.032,87.15 163.782,87.15 163.782,54.65 106.032,54.65
  text "S/N :" at 161.282,79.592 h5
  text "Project : .Project_Number" at 161.282,71.796 h5
  text "Revision : .Project_Revision" at 161.282,64 h5
  text "Name : .Project_Name" at 161.282,57.15 h5
Board Outline:
  lines w0.013: 428,30 32,30 30,32 30,328 cw(c32,328) 32,330 428,330 cw(c428,328) 430,328 430,32
Top References:
  circle w0.013: c230,35 r1.7
  circle w0.013: c425,35 r1.7
  circle w0.013: c425,325 r1.7
  circle w0.013: c230,325 r1.7
  circle w0.013: c35,325 r1.7
  circle w0.013: c35,35 r1.7

## Text inside footprints (layer, text, board x,y; h text height)
C11: Top Overlay "-" at 333.7,52.3 h1.52 r180; Top Overlay "+" at 325.3,52.2 h1.52 r180
C12: Top Overlay "-" at 333.7,64.3 h1.52 r180; Top Overlay "+" at 325.3,64.2 h1.52 r180
C14: Top Overlay "-" at 291.8,104.7 h1.52; Top Overlay "+" at 300.2,104.8 h1.52
C15: Top Overlay "-" at 331.7,113.8 h1.52 r180; Top Overlay "+" at 323.3,113.7 h1.52 r180
C16: Top Overlay "-" at 308.2,137.5 h1.52 r270; Top Overlay "+" at 308.25,131.65 h1.52 r270
C61: Top Overlay "-" at 291.8,116.2 h1.52; Top Overlay "+" at 300.2,116.3 h1.52
X30: Top Overlay "64" at 190,110.116 h2; Top Overlay "63" at 188,102.625 h2; Top Overlay "62" at 186,95.118 h2; Top Overlay "61" at 183.996,87.617 h2; Top Overlay "60" at 182,110.116 h2; Top Overlay "59" at 180,102.625 h2; Top Overlay "58" at 178,95.118 h2; Top Overlay "57" at 175.996,87.617 h2; Top Overlay "56" at 174,110.116 h2; Top Overlay "55" at 172,102.625 h2; Top Overlay "54" at 170,95.118 h2; Top Overlay "53" at 167.996,87.617 h2; Top Overlay "52" at 166,110.116 h2; Top Overlay "51" at 164,102.625 h2; Top Overlay "50" at 162,95.118 h2; Top Overlay "49" at 159.996,87.617 h2; Top Overlay "48" at 158,110.116 h2; Top Overlay "47" at 156,102.625 h2; Top Overlay "46" at 154,95.118 h2; Top Overlay "45" at 151.996,87.617 h2; Top Overlay "44" at 150,110.116 h2; Top Overlay "43" at 148,102.625 h2; Top Overlay "42" at 146,95.118 h2; Top Overlay "41" at 143.996,87.617 h2; Top Overlay "40" at 142,110.116 h2; Top Overlay "39" at 140,102.625 h2; Top Overlay "38" at 138,95.118 h2; Top Overlay "37" at 135.996,87.617 h2; Top Overlay "36" at 134,110.116 h2; Top Overlay "35" at 132,102.625 h2; Top Overlay "34" at 130,95.118 h2; Top Overlay "33" at 127.996,87.617 h2; Top Overlay "32" at 126,110.116 h2; Top Overlay "31" at 124,102.625 h2; Top Overlay "30" at 122,95.118 h2; Top Overlay "29" at 119.996,87.617 h2; Top Overlay "28" at 118,110.116 h2; Top Overlay "27" at 116,102.625 h2; Top Overlay "26" at 114,95.118 h2; Top Overlay "25" at 111.996,87.617 h2; Top Overlay "24" at 110,110.116 h2; Top Overlay "23" at 108,102.625 h2; Top Overlay "22" at 106,95.118 h2; Top Overlay "21" at 103.996,87.617 h2; Top Overlay "20" at 102,110.116 h2; Top Overlay "19" at 100,102.625 h2; Top Overlay "18" at 98,95.118 h2; Top Overlay "17" at 95.996,87.617 h2; Top Overlay "16" at 94,110.116 h2; Top Overlay "15" at 92,102.625 h2; Top Overlay "14" at 90,95.118 h2; Top Overlay "13" at 87.996,87.617 h2; Top Overlay "12" at 86,110.116 h2; Top Overlay "11" at 84,102.625 h2; Top Overlay "10" at 82,95.118 h2; Top Overlay "9" at 79.996,87.617 h2; Top Overlay "8" at 78,110.116 h2; Top Overlay "7" at 76,102.625 h2; Top Overlay "6" at 74,95.118 h2; Top Overlay "5" at 71.996,87.617 h2; Top Overlay "7" at 190,55.129 h2; Top Overlay "6" at 190,58.853 h2; Top Overlay "5" at 190,62.613 h2; Top Overlay "4" at 190,66.39 h2; Top Overlay "3" at 190,70.133 h2; Top Overlay "2" at 190,73.892 h2; Top Overlay "1" at 190,77.616 h2; Top Overlay "0" at 190,81.376 h2; Top Overlay "1" at 63.995,87.618 h2; Top Overlay "2" at 66,95.119 h2; Top Overlay "3" at 68,102.625 h2; Top Overlay "4" at 70,110.116 h2